# Altium PCB ALCT_MEZ_LX100.PcbDoc (part 10 of 10)
Units mil, origin at the board's own origin, x right, y up, seen from the top; angles counter-clockwise.
Board outline 4100 x 5874.84 mil, 12 copper layers (Top Layer, GND, Mid-Layer 2, +3V3, Mid-Layer 4, +1V2, Mid-Layer 6, +1V8, Mid-Layer 8, +2V5, Mid-Layer 10, Bottom Layer), stack 64.7 mil thick; 544 components, 646 nets, 3089 pads, 1750 vias.
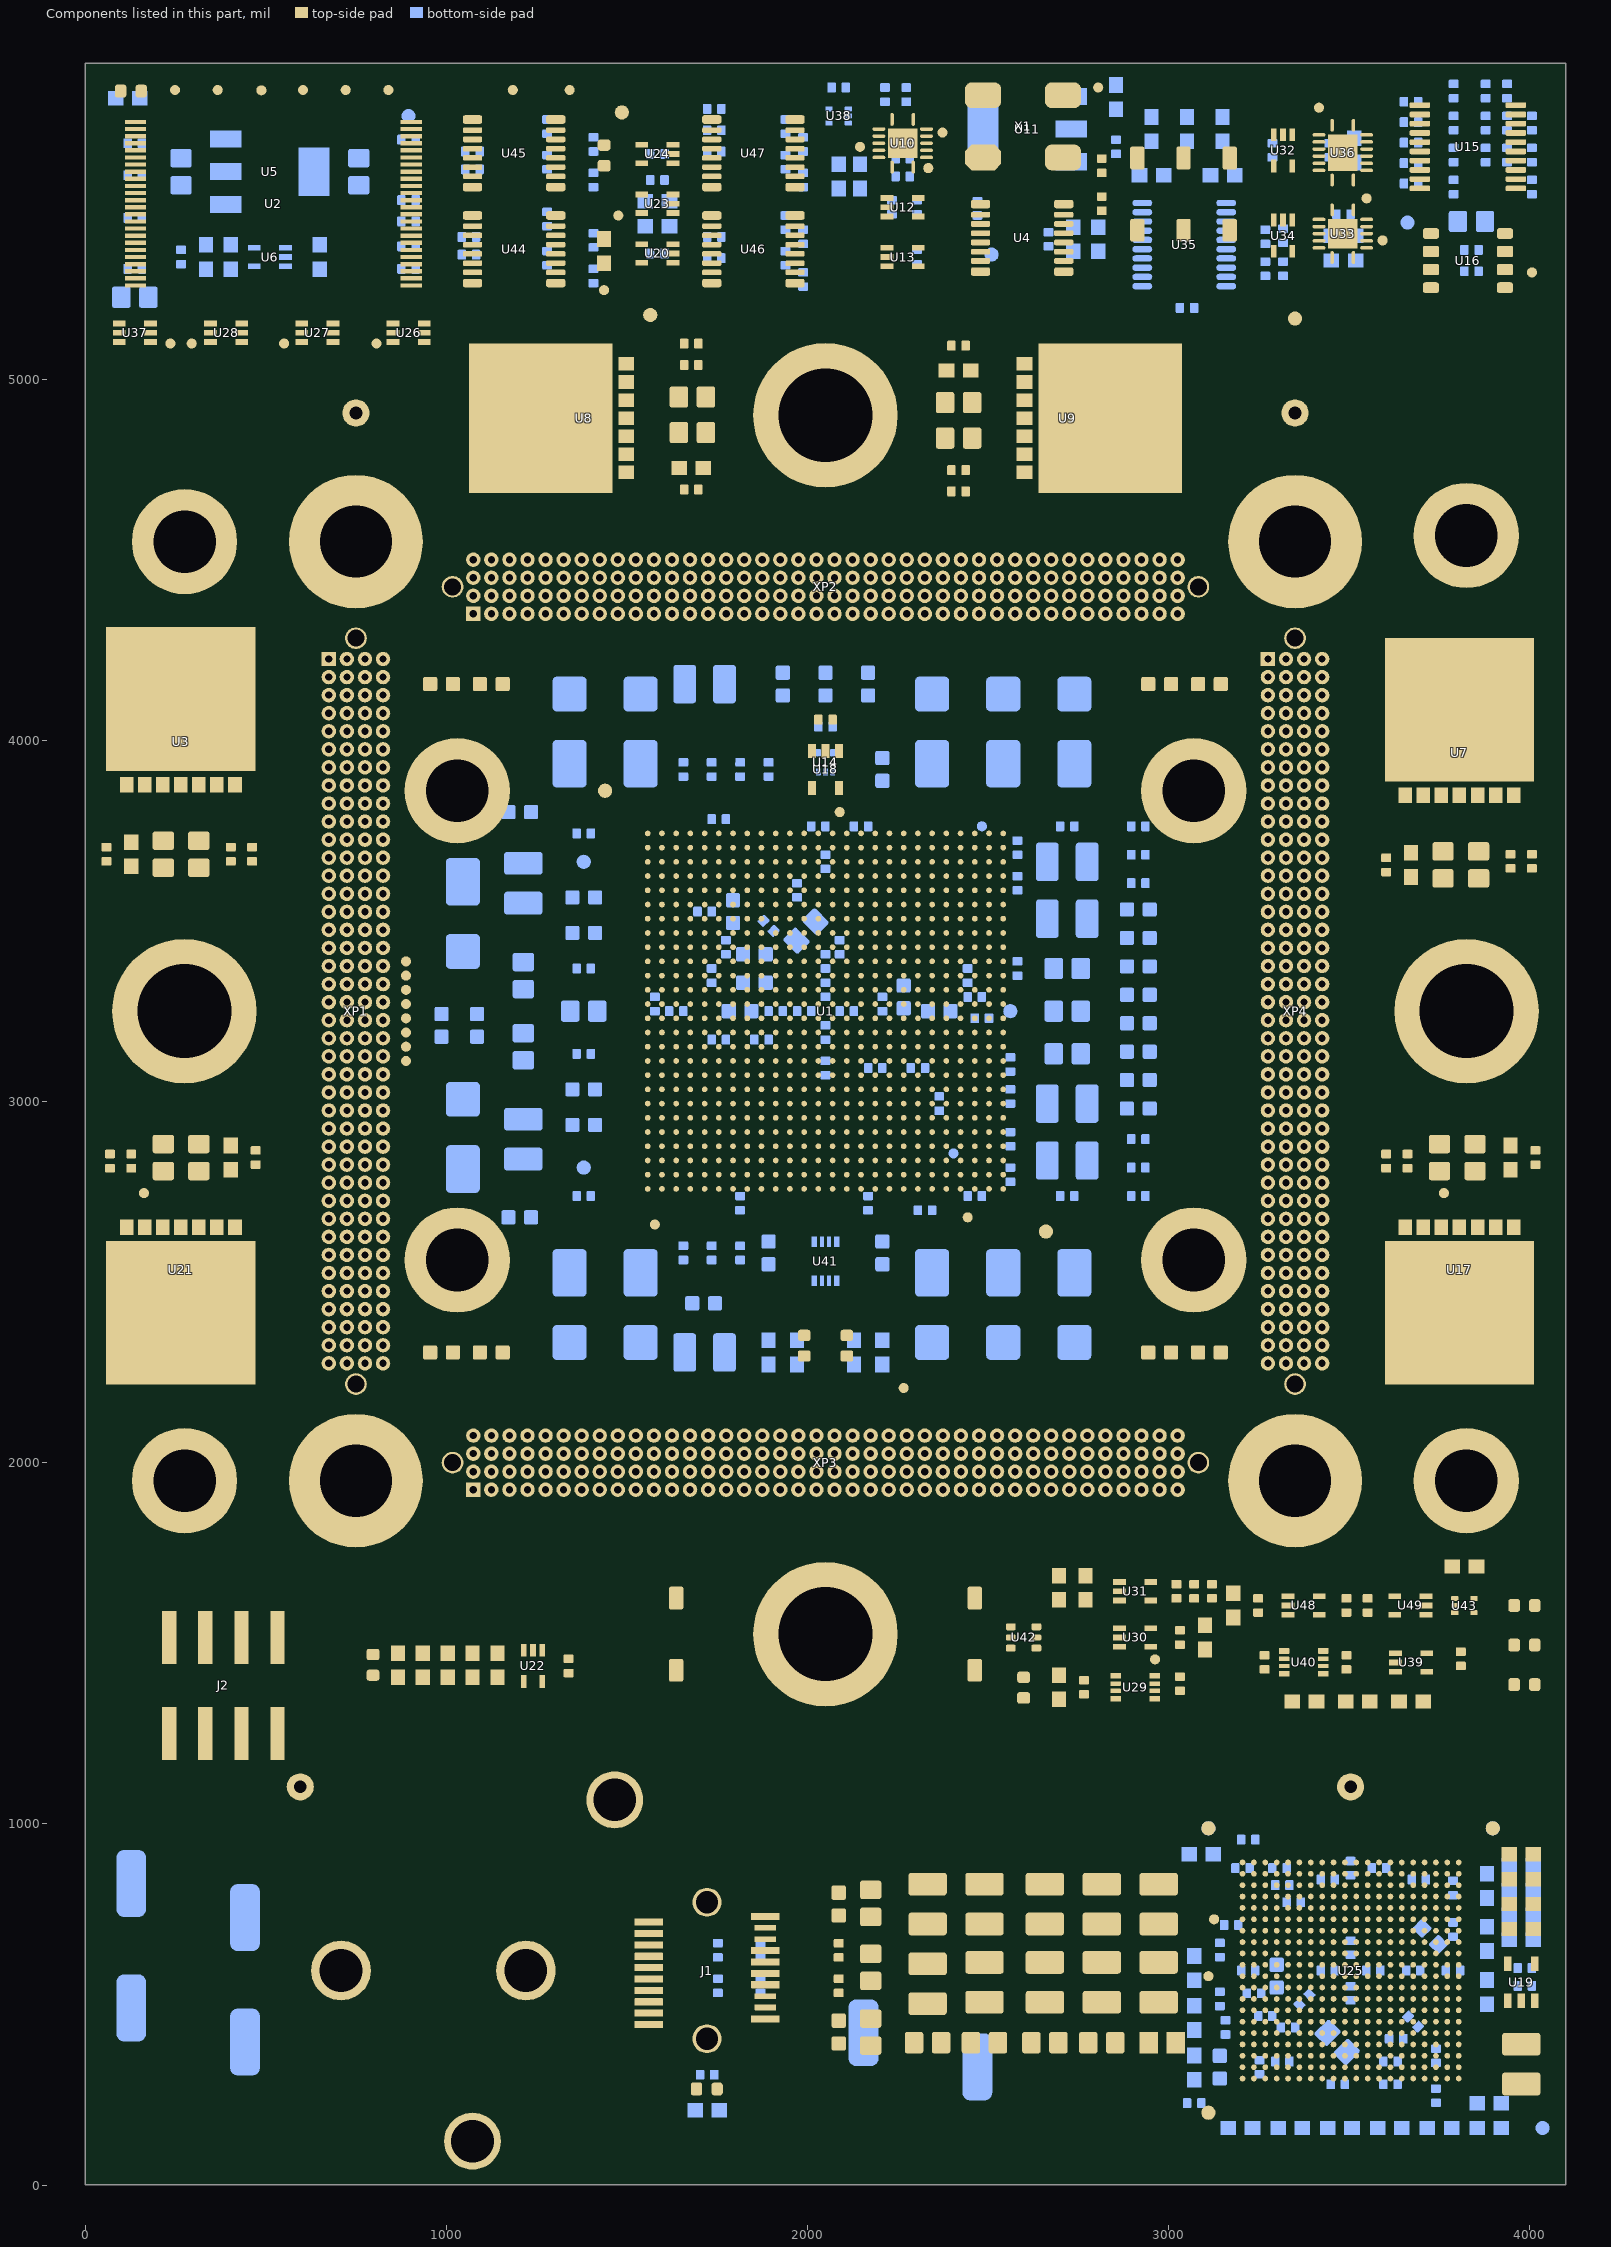
[diagram p20: the components of this part, seen from the top]

## Silkscreen, mask and mechanical layers (free items; w line width, h text height) (continued)
Drill Drawing:
  circle w10: c4614.99,1491.6 r33.33
  circle w10: c4614.99,1191.6 r20
  circle w10: c4614.99,1191.6 r33.33
  lines w5: 0,817.44 0,977.44 ; 4099.94,0 -0.06,0 -0.06,5875 4099.94,5875 ; 4100,0 4100,5875 ; 4100,817.44 4100,977.44
  lines w10: 4581.65,1374.93 4648.32,1374.93 4614.99,1308.27 4581.65,1374.93 ; 4581.65,1608.27 4648.32,1608.27 4648.32,1674.93 4581.65,1674.93 4581.65,1608.27 ; 4581.65,1774.93 4598.32,1774.93 4598.32,1758.27 4631.65,1758.27 4631.65,1774.93 4648.32,1774.93 4648.32,1808.27 4631.65,1808.27 4631.65,1824.93 4598.32,1824.93 4598.32,1808.27 4581.65,1808.27 4581.65,1774.93 ; 4581.65,1908.27 4614.99,1924.93 4648.32,1908.27 4631.65,1941.6 4648.32,1974.93 4614.99,1958.27 4581.65,1974.93 4598.32,1941.6 4581.65,1908.27 ; 4581.65,2058.27 4581.65,2074.93 4598.32,2091.6 4581.65,2108.27 4581.65,2124.93 4598.32,2124.93 4614.99,2108.27 4631.65,2124.93 4648.32,2124.93 4648.32,2108.27 4631.65,2091.6 4648.32,2074.93 4648.32,2058.27 4631.65,2058.27 4614.99,2074.93 4598.32,2058.27 4581.65,2058.27 ; 4581.65,2208.27 4648.32,2208.27 4648.32,2274.93 4581.65,2274.93 4581.65,2208.27 ; 4581.65,2374.93 4598.32,2374.93 4614.99,2358.27 4631.65,2374.93 4648.32,2374.93 4631.65,2391.6 4648.32,2408.27 4631.65,2408.27 4614.99,2424.93 4598.32,2408.27 4581.65,2408.27 4598.32,2391.6 4581.65,2374.93 ; 4594.99,2221.6 4634.99,2221.6 4634.99,2261.6 4594.99,2261.6 4594.99,2221.6
  lines w15: 4521.86,1113.27 8766.75,1113.27 ; 4521.86,2463.27 8766.75,2463.27 ; 5072.74,963.27 5072.74,2613.27 ; 5732.56,963.27 5732.56,2613.27 ; 6892.22,963.27 6892.22,2613.27 ; 7398.1,963.27 7398.1,2613.27 ; 8131.9,963.27 8131.9,2613.27 ; 4521.86,963.27 8766.75,963.27 8766.75,2613.27 4521.86,2613.27 4521.86,963.27
  text "UCLA Physics MC_S6 LX100" at 4525.95,5542.36 h75
  text "09/06/2018" at 4525.95,5392.36 h56.25
  text "Rev 2" at 5175.95,5392.36 h56.25
  text "Layer Stack-up" at 4527.56,5274.02 h56.25
  text "DRILL DRAWING" at 4527.56,2844.69 h60
  text "Symbol" at 4611.86,2508.27 h72
  text "Count" at 5117.74,2508.27 h72
  text "Hole Size" at 5777.56,2508.27 h72
  text "Plated" at 6937.22,2508.27 h72
  text "Hole Type" at 7443.1,2508.27 h72
  text "Via/Pad" at 8176.9,2508.27 h72
  text "SFP Socket Posts" at 8828.74,2372.05 h60
  text "2" at 5117.74,2358.27 h60
  text "1.550mm (61.02mil)" at 5777.56,2358.27 h60
  text "PTH" at 6937.22,2358.27 h60
  text "Round" at 7443.1,2358.27 h60
  text "Pad" at 8176.9,2358.27 h60
  text "Ground Points" at 8828.74,2219.49 h60
  text "4" at 5117.74,2208.27 h60
  text "0.889mm (35.00mil)" at 5777.56,2208.27 h60
  text "PTH" at 6937.22,2208.27 h60
  text "Round" at 7443.1,2208.27 h60
  text "Pad" at 8176.9,2208.27 h60
  text "VTRX Heatsink/Mnt" at 8828.74,2066.93 h60
  text "4" at 5117.74,2058.27 h60
  text "3.000mm (118.11mil)" at 5777.56,2058.27 h60
  text "PTH" at 6937.22,2058.27 h60
  text "Round" at 7443.1,2058.27 h60
  text "Pad" at 8176.9,2058.27 h60
  text "Baseboard Mounts" at 8828.74,1914.37 h60
  text "4" at 5117.74,1908.27 h60
  text "5.080mm (200.00mil)" at 5777.56,1908.27 h60
  text "PTH" at 6937.22,1908.27 h60
  text "Round" at 7443.1,1908.27 h60
  text "Pad" at 8176.9,1908.27 h60
  text "Stiffener Plate" at 8828.74,1761.81 h60
  text "4" at 5117.74,1758.27 h60
  text "6.604mm (260.00mil)" at 5777.56,1758.27 h60
  text "PTH" at 6937.22,1758.27 h60
  text "Round" at 7443.1,1758.27 h60
  text "Pad" at 8176.9,1758.27 h60
  text "Samtec Guide Posts" at 8828.74,1609.25 h60
  text "8" at 5117.74,1608.27 h60
  text "1.194mm (47.00mil)" at 5777.56,1608.27 h60
  text "PTH" at 6937.22,1608.27 h60
  text "Round" at 7443.1,1608.27 h60
  text "Pad" at 8176.9,1608.27 h60
  text "8" at 5117.74,1458.27 h60
  text "4.400mm (173.23mil)" at 5777.56,1458.27 h60
  text "NPTH" at 6937.22,1458.27 h60
  text "Round" at 7443.1,1458.27 h60
  text "Pad" at 8176.9,1458.27 h60
  text "Heatsink Mount" at 8828.74,1456.69 h60
  text "648" at 5117.74,1308.27 h60
  text "0.508mm (20.00mil)" at 5777.56,1308.27 h60
  text "PTH" at 6937.22,1308.27 h60
  text "Round" at 7443.1,1308.27 h60
  text "(Mixed)" at 8176.9,1308.27 h60
  text "Samtec Pins" at 8828.74,1304.13 h60
  text "1742" at 5117.74,1158.27 h60
  text "0.254mm (10.00mil)" at 5777.56,1158.27 h60
  text "PTH" at 6937.22,1158.27 h60
  text "Round" at 7443.1,1158.27 h60
  text "Via" at 8176.9,1158.27 h60
  text "Standard Via" at 8828.68,1151.57 h60
  text "2424 Total" at 5117.74,1008.27 h60
  text "Board dimensions in mils" at 4527.56,780.71 h56.25
Dimensions:
  lines w10: 610.18,593.9 708.66,593.9 ; 708.66,495.53 708.66,692.26 708.66,593.9 ; 797.18,593.9 708.66,593.9 ; 885.77,196.85 885.77,-114.57 1683.01,-114.57 1683.01,265.75 2007.81,265.75 2007.81,324.8 2007.81,925.2 1673.17,925.2 1673.17,1302.36 885.77,1302.36 885.77,994.09 ; 885.77,200.35 58.99,200.35 -547.58,200.35 -547.58,987.44 885.77,987.44 ; 1121.99,593.9 1220.47,593.9 ; 1220.47,495.53 1220.47,692.26 1220.47,593.9 ; 1309,593.9 1220.47,593.9 ; 1990.95,3250 2109.06,3250 ; 2050,3190.95 2050,3309.06 ; -29.59,1131.89 -29.59,1633.86 787.34,1633.86 787.34,1604.33 787.34,1131.89 -29.59,1131.89
  text "CUTOUT" at 216.48,1368.11 h60
  text "CUTOUT" at -137.86,521.65 h60

## Dimensions
1673.17,925.2 to 2007.81,925.2 on Board Outline
1683.01,-114.57 to 2187.8,3250 on Board Outline
1673.17,1302.36 to 1990.95,3250 on Board Outline
885.77,-114.57 to 1220.47,593.9 on Board Outline
1230.25,593.9 to 1673.17,1302.36 on Board Outline
885.77,200.35 to 708.66,593.9 on Board Outline
610.18,593.9 to 885.77,987.44 on Board Outline
0,0.16 to 4100,0.16 on Drill Drawing
-0.06,5875 to -0.06,0 on Drill Drawing

## Text inside footprints (layer, text, board x,y; h text height)
CT1: Bottom Overlay "+" at 2742.91,2194.88 h37.5 r270; Assembly Bottom "+" at 2723.23,2242.13 h25 r270
CT2: Bottom Overlay "+" at 1337.4,4265.75 h37.5 r90; Assembly Bottom "+" at 1357.09,4218.5 h25 r90
CT3: Bottom Overlay "+" at 1042.13,3143.7 h37.5 r90; Assembly Bottom "+" at 1061.81,3096.46 h25 r90
CT4: Bottom Overlay "+" at 2546.06,2194.88 h37.5 r270; Assembly Bottom "+" at 2526.38,2242.13 h25 r270
CT5: Bottom Overlay "+" at 1050,3277.56 h37.5 r270; Assembly Bottom "+" at 1030.32,3324.8 h25 r270
CT6: Bottom Overlay "+" at 2349.21,2194.88 h37.5 r270; Assembly Bottom "+" at 2329.53,2242.13 h25 r270
CT7: Bottom Overlay "+" at 1345.28,2194.88 h37.5 r270; Assembly Bottom "+" at 1325.59,2242.13 h25 r270
CT8: Bottom Overlay "+" at 2735.04,4265.75 h37.5 r90; Assembly Bottom "+" at 2754.72,4218.5 h25 r90
CT9: Bottom Overlay "+" at 2538.19,4265.75 h37.5 r90; Assembly Bottom "+" at 2557.87,4218.5 h25 r90
CT10: Bottom Overlay "+" at 1534.25,4265.75 h37.5 r90; Assembly Bottom "+" at 1553.94,4218.5 h25 r90
CT11: Bottom Overlay "+" at 1542.13,2194.88 h37.5 r270; Assembly Bottom "+" at 1522.44,2242.13 h25 r270
CT12: Bottom Overlay "+" at 2341.34,4265.75 h37.5 r90; Assembly Bottom "+" at 2361.02,4218.5 h25 r90
D1: Assembly Top "K" at 2586.61,1464.76 h23.62 r270; Assembly Top "A" at 2586.61,1311.22 h23.62 r270
D2: Assembly Top "A" at 2097.24,2257.87 h23.62 r270; Assembly Top "K" at 2097.24,2411.42 h23.62 r270
D3: Assembly Top "K" at 1979.13,2411.42 h23.62 r270; Assembly Top "A" at 1979.13,2257.87 h23.62 r270
D4: Assembly Top "A" at 809.06,1506.1 h23.62 r90; Assembly Top "K" at 809.06,1352.56 h23.62 r90
D5: Assembly Top "K" at 4072.83,1397.37 h23.62 r180; Assembly Top "A" at 3919.29,1397.37 h23.62 r180
D6: Assembly Top "A" at 1425.2,5553.35 h23.62 r270; Assembly Top "K" at 1425.2,5706.89 h23.62 r270
D7: Assembly Top "A" at 3919.29,1506.85 h23.62 r180; Assembly Top "K" at 4072.83,1506.85 h23.62 r180
D8: Assembly Top "K" at 214.57,5809.25 h23.62 r180; Assembly Top "A" at 61.02,5809.25 h23.62 r180
D9: Assembly Top "A" at 3919.29,1616.34 h23.62 r180; Assembly Top "K" at 4072.83,1616.34 h23.62 r180
D10: Assembly Top "K" at 1809.06,277.76 h23.62 r180; Assembly Top "A" at 1655.51,277.76 h23.62 r180
J2: Top Overlay "1" at 178.35,1241.34 h50; Top Overlay "8" at 568.11,1473.62 h50
XP1: Bottom Overlay "D1" at 888.58,4253.94 h37.5; Bottom Overlay "A1" at 650,4250 h37.5; Top Overlay "A1" at 644.55,4305.51 h37.5; Top Overlay "D1" at 790.22,4305.51 h37.5; Assembly Bottom "D1" at 848.22,4320.51 h25; Assembly Bottom "A1" at 700.58,4320.51 h25
XP2: Bottom Overlay "A1" at 1065.75,4273.62 h37.5; Bottom Overlay "D1" at 1062.99,4537.6 h37.5; Top Overlay "D1" at 994.49,4465.22 h37.5 r90; Top Overlay "A1" at 994.49,4319.55 h37.5 r90; Assembly Bottom "A1" at 979.49,4375.58 h25 r90; Assembly Bottom "D1" at 979.49,4523.22 h25 r90
XP3: Bottom Overlay "D1" at 1046.06,2147.64 h37.5 r90; Bottom Overlay "A1" at 1050,1900 h37.5 r90; Top Overlay "A1" at 994.49,1894.55 h37.5 r90; Top Overlay "D1" at 994.49,2040.22 h37.5 r90; Assembly Bottom "D1" at 979.49,2098.22 h25 r90; Assembly Bottom "A1" at 979.49,1950.58 h25 r90
XP4: Bottom Overlay "A1" at 3250,4250 h37.5; Bottom Overlay "D1" at 3494.09,4252.17 h37.5; Top Overlay "D1" at 3390.22,4305.51 h37.5; Top Overlay "A1" at 3244.55,4305.51 h37.5; Assembly Bottom "A1" at 3300.58,4320.51 h25; Assembly Bottom "D1" at 3448.22,4320.51 h25